# KiCad board qazikat.kicad_pcb (continued)
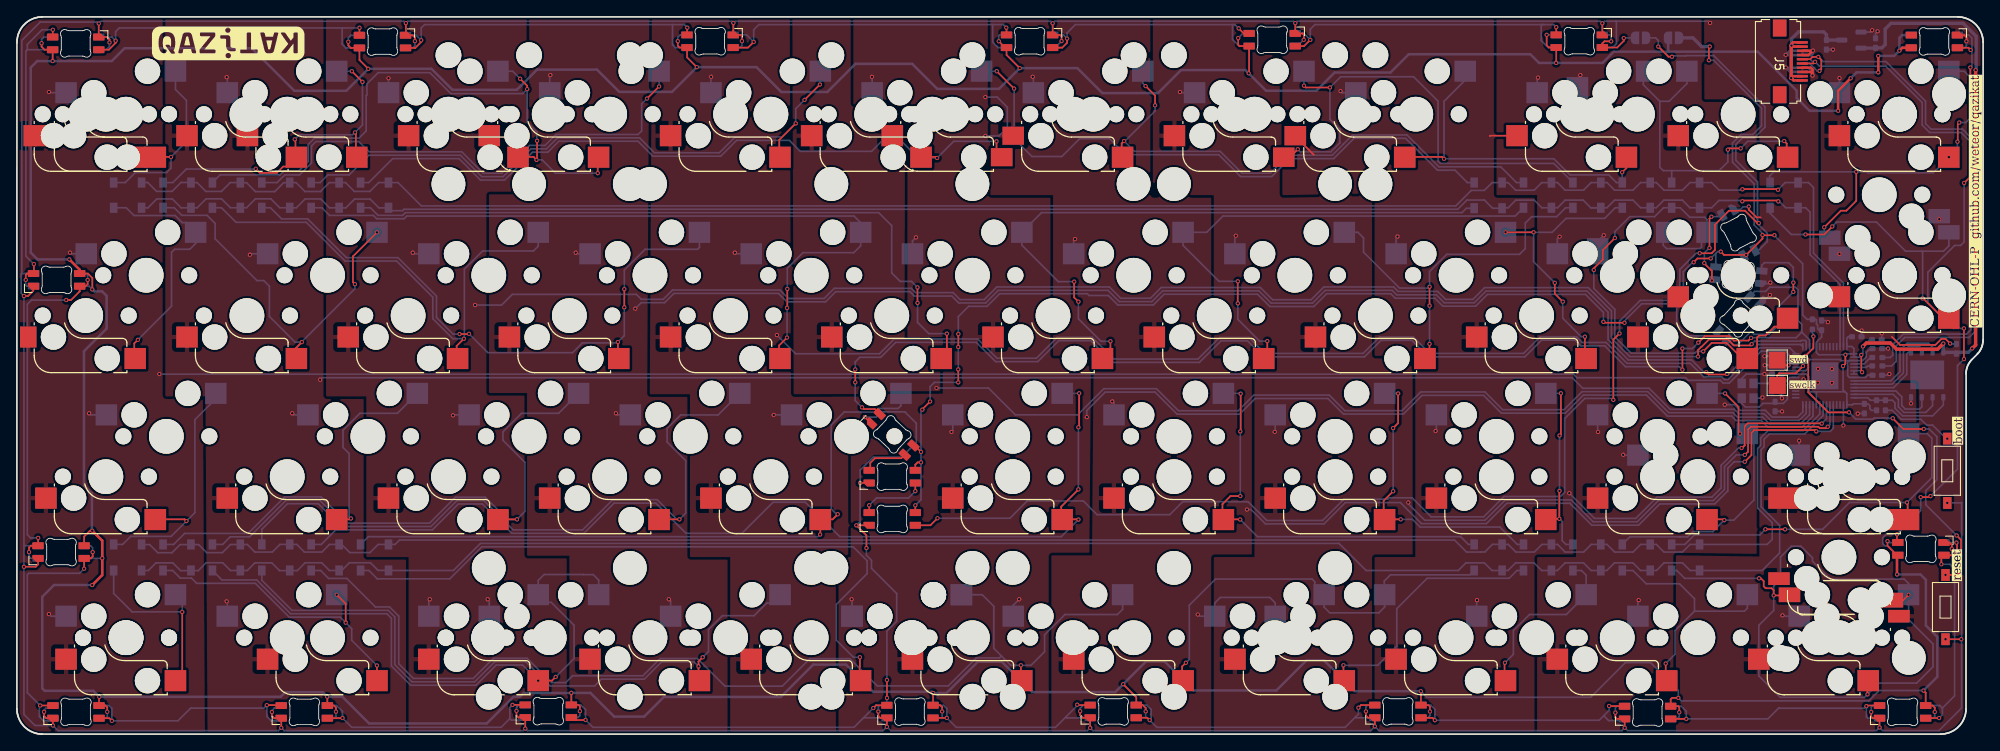
[diagram p0: board, top side]
## Nets
3V3_top: C7.1 C8.1 C9.1 C10.1 C11.1 C13.1 C14.1 D43.1 D44.1 D45.1 D97.1 D98.1 D99.1 JP3.1 R1.1 R8.2 U1.8 U2.2 U5.1 U5.10 U5.22 U5.33 U5.42 U5.43 U5.44 U5.48 U5.49
3V3_under: D12.1 D13.1 D14.1 D15.1 D16.1 D17.1 D18.1 D19.1 D20.1 D21.1 D22.1 D24.1 D25.1 D26.1 D27.1 D28.1 D30.1 D31.1 D32.1 D33.1 D34.1 D35.1 D36.1 D47.1 D48.1 D49.1 D50.1 D51.1 D52.1 D101.1 D102.1 D103.1 D104.1 D105.1 D106.1 D107.1 JP3.2
+1V1: C4.1 C5.1 C6.1 U5.23 U5.45 U5.50
GND: C1.1 C2.1 C3.2 C4.2 C5.2 C6.2 C7.2 C8.2 C9.2 C10.2 C11.2 C12.2 C13.2 C14.2 D12.4 D13.4 D14.4 D15.4 D16.4 D17.4 D18.4 D19.4 D20.4 D21.4 D22.4 D24.4 D25.4 D26.4 D27.4 D28.4 D30.4 D31.4 D32.4 D33.4 D34.4 D35.4 D36.4 D43.4 D44.4 D45.4 D47.4 D48.4 D49.4 D50.4 D51.4 D52.4 D97.4 D98.4 D99.4 D101.4 D102.4 D103.4 D104.4 D105.4 D106.4 D107.4 J4.3 J4.4 J4.7 J4.8 J5.3 J5.4 J5.7 J5.8 SW1.1 SW2.1 SW3.1 SW4.1 U1.4 U2.1 U5.19 U5.57 Y1.2 Y1.4
VBUS: C12.1 J4.1 J4.2 J4.9 J4.10 J5.1 J5.2 J5.9 J5.10 U2.3
col_1: MX1.1 MX15.1 MX27.1 MX39.1 MX52.1 MX65.1 MX77.1 MX90.1 MX99.1 U5.27
col_2: MX2.1 MX16.1 MX28.1 MX40.1 MX53.1 MX66.1 MX78.1 MX91.1 MX100.1 U5.13
col_3: MX3.1 MX17.1 MX29.1 MX41.1 MX48.1 MX54.1 MX67.1 MX79.1 MX92.1 MX101.1 U5.30
col_4: MX4.1 MX18.1 MX30.1 MX42.1 MX55.1 MX68.1 MX80.1 U5.29
col_5: MX5.1 MX19.1 MX31.1 MX56.1 MX69.1 MX81.1 MX93.1 U5.28
col_6: MX82.1 MX102.1 MX104.1 U5.12
col_7: MX6.1 MX20.1 MX32.1 MX43.1 MX49.1 MX51.1 MX57.1 MX70.1 MX83.1 U5.11
col_8: MX7.1 MX21.1 MX33.1 MX44.1 MX50.1 MX58.1 MX71.1 MX84.1 MX94.1 U5.5
col_9: MX8.1 MX22.1 MX34.1 MX59.1 MX72.1 MX85.1 MX103.1 U5.6
col_10: MX9.1 MX23.1 MX35.1 MX45.1 MX60.1 MX73.1 MX86.1 MX95.1 MX96.1 U5.7
col_11: MX10.1 MX11.1 MX24.1 MX25.1 MX36.1 MX37.1 MX46.1 MX61.1 MX74.1 MX87.1 MX88.1 MX97.1 U5.14
col_12: MX12.1 MX14.1 MX26.1 MX38.1 MX47.1 MX62.1 MX63.1 MX64.1 MX75.1 MX76.1 MX89.1 MX98.1 U5.2
D1_1: D133.2 MX1.2 MX90.2 MX99.2
D1_2: D121.2 MX15.2 MX77.2
D1_3: D109.2 MX27.2 MX65.2
D1_4: D1.2 MX39.2 MX52.2
D2_1: D134.2 MX2.2 MX91.2 MX100.2
D2_2: D122.2 MX16.2 MX78.2
D2_3: D110.2 MX28.2 MX66.2
D2_4: D2.2 MX40.2 MX53.2
D3_1: D135.2 MX3.2 MX92.2 MX101.2
D3_2: D123.2 MX17.2 MX79.2
D3_3: D111.2 MX29.2 MX67.2
D3_4: D3.2 MX41.2 MX48.2 MX54.2
D4_1: D136.2 MX4.2
D4_2: D124.2 MX18.2 MX80.2
D4_3: D112.2 MX30.2 MX68.2
D4_4: D4.2 MX42.2 MX55.2
D5_1: D137.2 MX5.2 MX93.2
D5_2: D125.2 MX19.2 MX81.2
D5_3: D113.2 MX31.2 MX69.2
D5_4: D5.2 MX56.2
D6_1: D6.2 MX102.2 MX104.2
D6_2: D126.2 MX82.2
D7_1: D139.2 MX6.2
D7_2: D127.2 MX20.2 MX83.2
D7_3: D115.2 MX32.2 MX70.2
D7_4: D7.2 MX43.2 MX49.2 MX51.2 MX57.2
D8_1: D140.2 MX7.2 MX94.2
D8_2: D128.2 MX21.2 MX84.2
D8_3: D116.2 MX33.2 MX71.2
D8_4: D8.2 MX44.2 MX50.2 MX58.2
D9_1: D141.2 MX8.2 MX103.2
D9_2: D129.2 MX22.2 MX85.2
D9_3: D117.2 MX34.2 MX72.2
D9_4: D9.2 MX59.2
D10_1: D142.2 MX9.2 MX95.2 MX96.2
D10_2: D130.2 MX23.2 MX86.2
D10_3: D118.2 MX35.2 MX73.2
D10_4: D10.2 MX45.2 MX60.2
D11_1: D143.2 MX10.2 MX11.2 MX97.2
D11_2: D131.2 MX24.2 MX25.2 MX87.2 MX88.2
D11_3: D119.2 MX36.2 MX37.2 MX74.2
D11_4: D11.2 MX46.2 MX61.2
D12_1: D144.2 MX12.2 MX14.2 MX98.2
D12_2: D132.2 MX26.2 MX89.2
D12_3: D120.2 MX38.2 MX75.2 MX76.2
D12_4: D108.2 MX47.2 MX62.2 MX63.2 MX64.2
D+: J4.5 J5.5 R3.2
D-: J4.6 J5.6 R4.2
LED_OUT_0: D47.3 D101.3 JP1.1
LED_OUT_1: D47.2 D48.3 D101.2 D102.3
LED_OUT_2: D48.2 D49.3 D102.2 D103.3
LED_OUT_3: D49.2 D50.3 D103.2 D104.3
LED_OUT_4: D50.2 D51.3 D104.2 D105.3
LED_OUT_5: D51.2 D52.3 D105.2 D106.3
LED_OUT_6: D12.3 D52.2 D106.2 D107.3
LED_OUT_7: D12.2 D13.3 D24.3 D107.2
LED_OUT_8: D13.2 D14.3 D24.2 D26.3
LED_OUT_9: D14.2 D15.3 D26.2 D28.3
LED_OUT_10: D15.2 D16.3 D28.2 D30.3
LED_OUT_11: D16.2 D17.3 D30.2 D32.3
LED_OUT_12: D17.2 D18.3 D32.2 D33.3
LED_OUT_13: D18.2 D19.3 D33.2 D34.3
LED_OUT_14: D19.2 D20.3 D34.2 D35.3
LED_OUT_15: D20.2 D21.3 D25.3 D35.2
LED_OUT_16: D21.2 D22.3 D25.2 D27.3
LED_OUT_17: D22.2 D27.2 D31.3 D36.3
LED_TOP_OUT: D43.2 D99.2 JP1.2
QSPI_SCLK: U1.6 U5.52
QSPI_SD0: U1.5 U5.53
QSPI_SD1: U1.2 U5.55
QSPI_SD2: U1.3 U5.54
QSPI_SD3: U1.7 U5.51
QSPI_SS: R5.1 R8.1 U1.1 U5.56
RGB: D45.3 D97.3 U5.31
row_1: D6.1 D133.1 D134.1 D135.1 D136.1 D137.1 D139.1 D140.1 D141.1 D142.1 D143.1 D144.1 U5.41
row_2: D121.1 D122.1 D123.1 D124.1 D125.1 D126.1 D127.1 D128.1 D129.1 D130.1 D131.1 D132.1 U5.40
row_3: D109.1 D110.1 D111.1 D112.1 D113.1 D115.1 D116.1 D117.1 D118.1 D119.1 D120.1 U5.9
row_4: D1.1 D2.1 D3.1 D4.1 D5.1 D7.1 D8.1 D9.1 D10.1 D11.1 D108.1 U5.8
Net-(C2-Pad2): C2.2 R2.1 Y1.3
Net-(D43-DIN): D43.3 D44.2
Net-(D44-DIN): D44.3 D45.2
Net-(D97-DOUT): D97.2 D98.3
Net-(D98-DOUT): D98.2 D99.3
Net-(J1-Pin_1): J1.1 U5.25
Net-(J3-Pin_1): J3.1 U5.24
Net-(R5-Pad2): R5.2 SW2.2 SW4.2
Net-(U5-RUN): C3.1 R1.2 SW1.2 SW3.2 U5.26
Net-(U5-USB_DM): R4.1 U5.46
Net-(U5-USB_DP): R3.1 U5.47
Net-(U5-XIN): C1.2 U5.20 Y1.1
Net-(U5-XOUT): R2.2 U5.21

Pads without a net: D31 2; D36 2; J4 MP; J5 MP; U1 9; U5 3 4 15 16 17 18 32 34 35 36 37 38 39

## Via types
v1: diameter 0.5, hole 0.3, Top to Bottom, 415 vias

## Routing (per net, layer and track width the routed paths; a pad name or vN(x,y) marks a point on that pad's centre or on a via; arc(x,y) is an arc through that point)
3V3_top: length 304.6
  Top w0.2: v1(200.03,81.31) 199.93,81.22 v1(199.93,79.7) ; v1(200.14,56.25) 198.58,56.25 v1(198.13,55.8) ; D99.1 106.16,27.05 v1(106.16,27.06) ; v1(106.99,38.37) 106.99,38.42 v1(107.9,39.33) ; v1(106.83,33.38) 106.07,34.14 D97.1 ; v1(201.33,57.06) 201.72,56.67 v1(204.34,56.67) 206.27,58.6 v1(206.27,59.01) 206.28,59 v1(207.67,59) ; v1(106.83,32.13) 106.42,32.13 106.16,31.86 D98.1 ; v1(217.94,44.84) 217.94,42.89 v1(218.03,42.8) ; v1(189.95,48.65) 187.58,48.65 v1(187.47,48.76) ; v1(111.23,43.13) v1(111.23,41.6) ; v1(111.23,45.78) 111.24,45.79 v1(111.24,47.32) ; v1(215.78,43.53) 216.06,43.81 v1(216.06,44.86)
  Top w0.4: v1(227.63,46.19) 226.96,45.52 222.1,45.52 221.37,46.25 218.54,46.25 v1(218.13,45.84) ; v1(231.45,78.52) 231.45,46.02 v1(231.04,45.61)
  Bottom w0.2: 212.63,40.48 216.02,40.48 ; 212.63,40.48 U5.10 ; 212.63,40.48 211.91,40.48 211.73,40.65 211.73,42.24 211.39,42.58 U5.22 208.53,42.58 C9.1 ; 216.02,40.48 216.23,40.27 U5.1 216.88,38.94 217,39.06 C8.1 218.72,39.06 218.95,38.83 218.95,38.47 219.13,38.29 R8.2 ; 216.02,40.48 215.78,40.72 v1(215.78,43.53) ; v1(106.99,38.37) 106.83,38.21 v1(106.83,32.13) 106.83,27.73 v1(106.16,27.06) ; v1(218.03,42.8) 217.85,42.98 U5.48 U5.49 ; U5.43 217.07,45.6 216.83,45.84 216.25,45.84 U5.42 216.23,46.82 216.4,46.99 C11.1 ; U5.43 U5.44 217.67,44.58 v1(217.94,44.84) 218.13,45.04 v1(218.13,45.84) 218.93,46.64 C7.1 ; U5.43 216.18,44.98 v1(216.06,44.86) 212.9,44.86 212.63,45.13 U5.33 212.63,46.35 213.25,46.97 C10.1 212.95,47.77 212.78,47.94 212.78,48.37 212.64,48.51 212.64,48.96 212.55,49.05 R1.1 211.53,49.05 211.01,49.57 211.01,55.63 207.67,58.97 v1(207.67,59) ; D45.1 200.48,47.1 197.55,47.1 196.12,48.53 196.12,50.56 ; 227.63,46.19 v1(227.63,46.19) ; v1(201.33,57.06) 200.95,57.06 200.75,56.86 ; v1(206.27,59.01) 206.27,59.21 205.27,60.21 205.27,65.08 202.72,67.63 202.72,69.91 203.72,70.91 205.12,70.91 206.15,71.94 206.15,74.03 200.48,79.7 v1(199.93,79.7) ; 200.75,56.86 D44.1 ; 200.75,56.86 v1(200.14,56.25) ; v1(107.9,39.33) 107.9,41.09 108.41,41.6 v1(111.23,41.6) ; v1(111.24,47.32) 111.24,49.38 112.45,50.59 114.63,50.59 116.12,52.08 126.48,52.08 126.69,51.87 128.97,51.87 130.09,50.75 134.28,50.75 135.55,52.02 146.59,52.02 148.04,50.57 153.25,50.57 154.76,52.08 162.34,52.08 162.87,51.55 167.55,51.55 168.49,50.61 172.37,50.61 173.76,52 185.35,52 187.47,49.88 v1(187.47,48.76) ; 204.14,56.58 204.25,56.58 v1(204.34,56.67) ; v1(198.13,55.8) 198.01,55.8 196.9,54.69 196.9,51.34 196.12,50.56 ; v1(111.23,45.78) v1(111.23,43.13) ; 196.12,50.56 195.78,50.89 191.99,50.89 189.95,48.86 v1(189.95,48.65) ; 227.63,45.15 U1.8
  Bottom w0.4: U2.2 219.59,81.13 ; JP3.1 198.04,82.34 199.07,81.31 v1(200.03,81.31) ; C13.1 220.37,81.16 220.76,81.55 220.76,83.38 221.44,84.06 229.97,84.06 231.51,82.53 231.51,78.58 v1(231.45,78.52) ; 227.63,46.19 227.63,45.15 230.58,45.15 v1(231.04,45.61)
3V3_under: length 694.6
  Top w0.2: v1(225.29,5.15) 225.54,4.89 D21.1 226.37,3.38 226.62,3.13 v1(226.62,2.62) ; v1(145.55,78.15) 145.6,78.2 D48.1 144.5,81.37 144.48,81.35 144.31,81.52 v1(144.31,82.32) ; 7.38,54.47 8.38,54.47 8.91,53.94 v1(8.91,52.59) ; D13.1 7.95,23.36 8.63,24.05 v1(8.9,24.05) ; v1(37.7,2.65) 37.7,3.14 37.46,3.38 D15.1 36.69,4.4 v1(36.66,4.42) ; v1(65.52,4.88) D16.1 66.35,3.46 66.52,3.29 v1(66.52,2.71) ; v1(4.22,79.6) D52.1 3.27,80.94 2.91,81.3 v1(2.91,81.71) ; v1(80.34,78.88) 79.19,80.03 D50.1 78.31,81.19 78.09,81.41 v1(78.09,81.95) ; v1(130.72,5.9) 132.27,4.36 132.27,3.43 133.03,3.43 133.38,3.08 v1(133.38,2.68) ; v1(221.03,22.82) 221.03,22.27 222.16,21.15 ; v1(10.67,2.64) 10.67,3.18 10.47,3.38 D14.1 9.7,4.38 v1(9.73,4.41) ; v1(109.33,2.67) 109.33,3.19 109.11,3.41 D17.1 108.25,4.85 v1(108.26,4.86) ; v1(39.16,81.88) 39.16,81.45 39.46,81.15 D51.1 40.47,79.73 v1(41.52,78.68) ; v1(118.5,78.76) 116.94,80.32 D49.1 116.77,81.19 v1(116.02,81.94) ; v1(181.88,79.38) 181.89,79.39 D47.1 181.02,81.2 180.76,81.46 180.76,82.7 v1(180.76,82.7) ; v1(196.43,2.58) 196.43,3.19 196.32,3.3 D20.1 195.41,4.11 195.58,4.28 v1(196.32,4.28) ; v1(165.89,5.07) 165.91,5.05 D19.1 166.78,3.43 166.97,3.24 v1(166.97,2.67)
  Top w0.3: v1(8.9,17.63) 10.08,18.81 v1(10.08,20.8) 10.08,22.87 v1(8.9,24.05) ; v1(215.2,73.72) 215.2,76.08 v1(216.68,77.56) ; v1(219.95,80.21) 219.95,78.27 v1(219.94,78.26) ; v1(222.17,18.88) 222.16,18.9 222.16,21.15 ; v1(222.44,80.83) 222.78,81.17 D36.1 ; v1(6.19,56.14) 7.41,54.92 D12.1
  Bottom w0.2: v1(226.62,2.62) 226.62,2.1 226.4,1.88 D25.1 ; v1(109.33,2.67) 109.33,1.86 109.28,1.91 108.25,1.91 ; D103.1 116.11,82.69 116.02,82.6 v1(116.02,81.94) ; D106.1 3.2,82.44 2.91,82.15 v1(2.91,81.71) ; v1(8.91,52.59) 8.53,52.97 7.38,52.97 ; D24.1 10.06,20.78 v1(10.08,20.8) ; D101.1 v1(180.76,82.7) ; v1(221.03,22.82) 221.2,22.65 222.16,22.65 ; D102.1 144.86,82.87 v1(144.31,82.32) ; D34.1 166.71,1.93 166.97,2.19 v1(166.97,2.67) ; v1(39.16,81.88) 39.16,82.35 39.46,82.65 D105.1 ; v1(133.38,2.68) 133.38,1.94 133.37,1.93 132.27,1.93 ; 65.52,1.96 66.29,1.96 66.52,2.19 v1(66.52,2.71) ; v1(10.67,2.64) 10.67,2.03 10.52,1.88 9.7,1.88 ; 36.69,1.88 37.48,1.88 37.7,2.1 v1(37.7,2.65) ; D35.1 196.16,1.8 196.43,2.07 v1(196.43,2.58) ; v1(165.89,5.07) 166.61,4.35 185.96,4.35 190.06,8.45 193.04,8.45 196.32,5.17 v1(196.32,4.28) 196.67,3.93 218.82,3.93 220.04,5.15 v1(225.29,5.15) ; v1(78.09,81.95) 78.09,82.4 78.38,82.69 D104.1
  Bottom w0.3: v1(222.17,18.88) 224.93,18.88 225.57,18.24 225.57,12.85 226.92,11.5 226.92,6.78 v1(225.29,5.15) ; 195.12,80.71 188.7,80.71 187.37,79.38 v1(181.88,79.38) 179.85,79.38 178.83,80.4 164.46,80.4 162.3,78.24 155.7,78.24 153.55,76.09 147.61,76.09 v1(145.55,78.15) 145.17,78.53 137.55,78.53 134.83,75.81 128.26,75.81 125.31,78.76 v1(118.5,78.76) 116.05,76.31 108.75,76.31 105.79,79.27 99.09,79.27 95.76,75.94 90.33,75.94 87.39,78.88 v1(80.34,78.88) 77.42,75.95 71.17,75.95 68.54,78.59 61.46,78.59 59.07,76.2 51.46,76.2 48.98,78.68 v1(41.52,78.68) 38.92,76.08 32.78,76.08 27.75,81.11 12.72,81.11 11.21,79.6 4.22,79.6 v1(4.22,79.6) 2.4,79.6 1.63,78.83 1.63,56.94 2.43,56.14 v1(6.19,56.14) ; 195.12,80.71 195.12,82.32 JP3.2 ; 195.12,80.71 205.69,80.71 210.3,76.1 210.3,75.25 211.83,73.72 v1(215.2,73.72) ; v1(8.9,17.63) 4.38,17.63 2.99,16.24 2.99,5.41 3.28,5.12 9.02,5.12 v1(9.73,4.41) 31.16,4.41 31.7,4.95 36.13,4.95 v1(36.66,4.42) 36.66,4.42 38.45,4.42 41.62,1.25 55.51,1.25 58.66,4.4 59.43,4.4 59.89,4.86 65.5,4.86 v1(65.52,4.88) 65.53,4.87 67.77,4.87 70.57,2.07 74.12,2.07 76.44,4.39 90.27,4.39 94.1,8.22 97.97,8.22 101.18,5.01 108.11,5.01 v1(108.26,4.86) 109.85,4.86 113.55,8.56 116.37,8.56 119.96,4.97 129.79,4.97 v1(130.72,5.9) 133.42,8.6 135.6,8.6 139.04,5.16 148.82,5.16 152.38,8.72 154.45,8.72 158.1,5.07 v1(165.89,5.07) ; v1(219.94,78.26) 217.38,78.26 v1(216.68,77.56) ; v1(8.91,52.59) 9.14,52.36 10.07,52.36 10.6,51.83 10.6,47.96 7.92,45.28 7.92,29.41 8.86,28.47 8.86,24.09 v1(8.9,24.05) ; v1(219.95,80.21) 221.82,80.21 v1(222.44,80.83) 222.44,82.35 222.76,82.67 223.84,82.67
+1V1: length 18
  Bottom w0.2: 219.26,45.39 218.78,45.39 218.53,45.14 218.53,44.61 218.1,44.18 U5.45 216.48,44.18 ; 216.48,44.18 216.33,44.03 216.33,42.38 216.54,42.18 U5.50 218.43,42.18 218.69,42.44 C5.1 ; 216.48,44.18 215.54,44.18 215.42,44.3 211.86,44.3 211.68,44.12 211.68,43.29 211.37,42.98 U5.23 209.13,42.98 208.47,43.64
GND: length 726.5
  Top w0.2: D36.4 230.12,82.67 230.36,82.43 v1(230.36,81.93) ; v1(31.23,0.75) D15.4 30.4,1.88 30.13,2.15 v1(30.13,2.61) ; D48.4 151.91,82.87 152.07,82.71 152.07,82.13 v1(152.05,82.11) ; v1(126.82,0.74) 126.81,0.75 D18.4 125.95,1.93 125.63,2.25 v1(125.63,2.71) ; v1(60.06,0.65) D16.4 59.28,1.96 59.03,2.21 v1(59.03,2.74) ; v1(4.25,1.02) D14.4 3.46,1.88 3.21,2.13 v1(3.21,2.64) ; v1(151.06,84.09) 151.06,83.24 151.08,83.22 ; v1(99.64,29.7) D98.4 ; v1(47.03,81.95) 47.03,82.38 46.76,82.65 D51.4 45.95,82.68 v1(45.95,84.09) ; v1(9.67,84.04) D52.4 10.66,82.44 10.94,82.16 v1(10.94,81.8) ; v1(204.64,62.39) 204.64,62.03 205.56,61.11 206.04,61.11 ; v1(219.11,2.62) 219.11,2.05 219.28,1.88 D21.4 v1(220.09,0.78) ; v1(159.4,2.68) 159.4,2.18 159.65,1.93 D19.4 v1(160.46,0.91) ; v1(187.34,84.06) D47.4 ; v1(123.44,81.96) 123.44,82.5 123.25,82.69 D49.4 v1(122.38,84.06) ; v1(100.2,37.49) D97.4 ; v1(227.89,11.22) 229.79,11.22 ; v1(189.98,0.75) 189.98,1.78 D20.4 189.05,1.8 188.88,1.97 v1(188.88,2.54) ; v1(102.81,4.27) 102.81,6.38 v1(102.8,6.39) ; v1(228.44,46.19) 227.89,46.74 227.4,46.74 226.68,46.02 222.53,46.02 221.56,46.99 ; v1(101.79,2.67) 101.79,2.13 102.01,1.91 D17.4 v1(102.8,0.86) ; 1.93,52.97 1.93,52.43 1.31,51.81 v1(0.83,51.81) ; v1(228.63,21.91) 228.63,22.39 228.37,22.65 227.6,22.65 ; D99.4 99.2,24.7 v1(99.19,24.69) 100.38,23.5 v1(100.38,22) ; v1(0.83,19.79) 2.22,19.79 2.5,20.06 2.5,20.78 ; v1(84.66,84.11) 84.66,83.21 84.64,83.19 D50.4 85.51,82.69 85.67,82.53 v1(85.67,81.96)
  Top w0.3: 212.17,78.09 v1(212.17,77.89) ; v1(212.17,77.89) 212.17,78.59 211.95,78.81 J5.7 ; v1(212.17,77.89) 212.17,78.11 211.97,78.31 J5.8 ; J5.4 211.7,80.31 v1(212.22,80.83) 212.2,80.81 J5.3
  Bottom w0.2: v1(123.44,81.96) 122.67,81.19 D103.4 ; D33.4 126.02,3.43 125.63,3.04 v1(125.63,2.71) ; U2.1 219.01,83.03 v1(219.22,83.24) ; D102.4 151.31,81.37 v1(152.05,82.11) ; C5.2 221.1,42.44 v1(221.25,42.59) ; v1(188.88,2.54) 188.88,3.11 189.07,3.3 D35.4 ; D106.4 10.55,80.94 10.94,81.33 v1(10.94,81.8) ; 0.83,22.3 0.85,22.28 2.5,22.28 ; 0.83,22.3 v1(0.83,19.79) 0.83,2.32 2.13,1.02 v1(4.25,1.02) 4.87,0.4 30.89,0.4 v1(31.23,0.75) 31.58,0.4 59.82,0.4 v1(60.06,0.65) 60.31,0.4 102.34,0.4 v1(102.8,0.86) 103.26,0.4 126.48,0.4 v1(126.82,0.74) 127.16,0.4 159.94,0.4 v1(160.46,0.91) 160.97,0.4 189.63,0.4 v1(189.98,0.75) 190.32,0.41 219.72,0.41 v1(220.09,0.78) 220.47,0.41 227.11,0.41 229.79,3.09 229.79,21.16 ; 0.83,22.3 v1(0.83,51.81) 0.5,52.14 0.5,54.38 0.58,54.46 ; U5.19 210.72,41.38 211.12,41.77 v1(211.12,41.96) ; v1(102.8,6.39) 102.8,12.17 103.96,13.33 103.96,16.62 100.98,19.6 100.98,20.55 100.38,21.15 v1(100.38,22) ; v1(219.11,2.62) 219.11,3.18 219.31,3.38 D25.4 ; 0.58,54.46 0.58,82.04 2.75,84.21 9.5,84.21 v1(9.67,84.04) 9.94,84.31 45.73,84.31 v1(45.95,84.09) 46.17,84.31 84.46,84.31 v1(84.66,84.11) 84.86,84.31 122.14,84.31 v1(122.38,84.06) 122.63,84.31 150.84,84.31 v1(151.06,84.09) 151.28,84.31 187.09,84.31 v1(187.34,84.06) 187.58,84.31 188.89,84.31 ; 0.58,54.46 0.59,54.47 1.93,54.47 ; C2.1 208.48,39.79 v1(208.55,39.71) ; 228.52,21.15 229.78,21.15 229.79,21.16 ; 228.52,21.15 227.6,21.15 ; 228.52,21.15 228.63,21.26 v1(228.63,21.91) ; 206.09,51.14 206.34,51.14 v1(207.13,51.93) ; D101.4 188.55,81.2 189,81.65 189,84.31 188.89,84.31 ; v1(221.1,45.6) 221.09,45.59 C6.2 ; 206.04,53.28 207.05,53.28 v1(207.18,53.4) ; 188.89,84.31 199.87,84.31 v1(200.07,84.11) ; 209.03,80.31 v1(209.01,80.33) ; v1(206.26,39.8) 206.18,39.72 Y1.4 ; v1(217.52,37.9) 217.54,37.92 C8.2 ; C1.1 208.57,38.17 v1(208.58,38.16) ; C10.2 213.8,48.91 v1(213.99,48.72) ; D34.4 159.62,3.43 159.4,3.21 v1(159.4,2.68) ; D105.4 46.78,81.15 47.03,81.4 v1(47.03,81.95) ; 207.39,43.62 206.55,43.62 ; C13.2 219.62,82.87 v1(219.86,83.11) ; v1(228.1,27.34) 229.75,27.34 229.79,27.38 229.79,21.16 ; v1(102.81,4.27) 102.8,4.26 102.8,3.41 101.99,3.41 101.79,3.21 v1(101.79,2.67) ; C7.2 220.35,47.38 v1(220.36,47.39) ; v1(99.19,24.69) 99.63,25.13 99.63,29.69 v1(99.64,29.7) 99.64,31.21 101.19,32.76 104.54,32.76 106.27,34.49 106.27,36.76 104.92,38.11 102.15,38.11 101.53,37.49 v1(100.2,37.49) ; 206.53,44.68 206.54,44.67 207.43,44.67 ; v1(59.03,2.74) 59.03,3.14 59.11,3.22 59.11,3.25 59.32,3.46 D30.4 ; v1(30.13,2.61) 30.13,2.79 30.42,3.08 31.23,3.08 ; v1(3.21,2.64) 3.21,2.84 3.45,3.08 4.25,3.08 ; Y1.2 203.81,42.05 204.34,42.58 206.52,42.58 206.53,42.57 C9.2 ; D104.4 85.43,81.19 85.67,81.43 v1(85.67,81.96) ; 202.72,62.04 203.65,62.04 203.96,62.35 204.6,62.35 v1(204.64,62.39) ; U1.4 223.82,39.11 v1(223.81,39.1) ; v1(230.36,81.93) 230.36,81.4 230.13,81.17 D31.4 ; C11.2 217.97,47.7 v1(217.98,47.72) ; v1(228.44,46.19) 228.5,46.13 228.87,46.13 229.08,46.34
  Bottom w0.3: C12.2 v1(214.59,80.96) ; J4.3 209.54,78.31 v1(209.01,78.84) 209.04,78.81 J4.4 211.69,78.81 212.17,78.33 v1(212.17,77.89) 212.17,78.02 ; v1(209.01,80.33) 209.49,80.81 J4.8 212.2,80.81 v1(212.22,80.83) 212.22,80.5 212.03,80.31 J4.7 209.03,80.31
  vias: v1(206.5,44.68) v1(206.52,43.62) v1(206.49,42.58) v1(212.83,43.2) v1(212.8,41.56) v1(214.46,43.19) v1(214.46,41.55) v1(229.75,11.22)
VBUS: length 22.4
  Top w0.2: 209.67,81.62 209.66,81.61
  Top w0.3: v1(209.66,77.59) 209.93,77.32 210.98,77.32 ; J5.1 209.86,81.81 209.67,81.62 ; 210.76,81.31 209.67,81.31 209.66,81.32 ; 209.9,77.81 J5.9
  Top w0.4: 209.66,81.45 v1(209.69,81.43) 209.66,81.4 v1(209.66,77.59)
  Bottom w0.2: 213.84,82.08 C12.1
  Bottom w0.3: 210.96,81.81 209.86,81.81 209.67,81.62 209.98,81.31 J4.9 ; J4.1 209.94,77.31 v1(209.66,77.59) 209.88,77.81 J4.2
  Bottom w0.4: U2.3 213.84,82.08 ; C12.1 213.82,82.72 213.49,83.05 210.52,83.05 209.69,82.22 v1(209.69,81.43)
col_1: length 204.8
  Top w0.2: 1.43,70.8 2.36,70.8
  Bottom w0.2: v1(6.28,56.94) 6.41,56.8 8.19,56.8 ; MX1.1 3.87,75.85 v1(3.78,75.94) ; MX39.1 4.03,13.94 v1(3.78,14.19) ; U5.27 209.66,44.58 208.96,45.28 206.1,45.28 202.34,41.52 201.61,41.52 201.28,41.84 197.47,41.84 197.17,42.14 184.35,42.14 183.93,42.57 16.84,42.57 v1(16.83,42.58) ; v1(8.53,37.94) 8.72,37.75 MX27.1
col_2: length 186.9
  Bottom w0.2: v1(24.78,15.69) 24.86,15.61 MX40.1 ; U5.13 211.43,37.93 210.59,37.09 207.24,37.09 206.44,37.89 203.45,37.89 202.93,38.41 195.36,38.41 192.87,40.9 185.03,40.9 183.78,42.14 36.06,42.14 v1(35.83,41.91) ; MX2.1 24.86,77.61 v1(24.78,77.69) ; v1(32.53,37.94) 32.72,37.75 MX28.1 ; v1(27.53,56.69) 27.65,56.8 29.62,56.8
col_3: length 181.6
  Top w0.2: v1(198.64,44.65) 198.64,45.42 199.03,45.81 199.07,45.81 199.93,46.67 202.19,46.67 202.89,45.97 204.83,45.97 v1(204.98,46.12)
  Bottom w0.2: MX48.1 55.81,15.76 v1(55.63,15.94) ; v1(198.64,44.65) 190.58,44.65 188.42,46.81 188.42,50.06 185.68,52.8 173.43,52.8 172.04,51.41 168.83,51.41 167.89,52.35 163.2,52.35 162.67,52.88 154.43,52.88 152.92,51.37 148.38,51.37 146.93,52.82 135.22,52.82 133.95,51.55 130.42,51.55 129.09,52.88 115.79,52.88 114.3,51.39 111.45,51.39 110.63,52.21 106.2,52.21 105.69,52.72 96.58,52.72 95.38,51.52 91.15,51.52 90.15,52.52 77.47,52.52 76.37,51.42 73.78,51.42 73.2,52 58.53,52 57.27,50.74 v1(54.14,50.74) ; MX41.1 48.67,15.83 v1(48.78,15.94) ; v1(46.78,56.94) 46.92,56.8 48.67,56.8 ; v1(204.98,46.12) 205.34,46.48 210.76,46.48 210.84,46.55 211.33,46.55 211.43,46.45 U5.30 ; v1(51.53,37.69) 51.59,37.75 MX29.1 ; v1(43.91,77.56) MX3.1
col_4: length 159.6
  Top w0.2: v1(202.07,42.6) 202.01,42.53 199.88,42.53 v1(199.62,42.79)
  Bottom w0.2: MX30.1 70.97,37.75 v1(70.78,37.94) ; v1(63.03,77.94) 62.96,77.87 MX4.1 ; v1(66.03,56.94) 66.17,56.8 67.72,56.8 ; v1(199.62,42.79) 199.34,42.79 197.88,44.25 190.41,44.25 188.02,46.65 188.02,49.9 185.51,52.4 173.6,52.4 172.21,51.01 168.66,51.01 167.72,51.95 163.04,51.95 162.51,52.48 154.6,52.48 153.09,50.97 148.21,50.97 146.76,52.42 135.39,52.42 134.12,51.15 130.25,51.15 128.92,52.48 115.96,52.48 114.47,50.99 111.28,50.99 110.46,51.81 106.03,51.81 105.52,52.32 96.75,52.32 95.55,51.12 90.98,51.12 89.98,52.12 77.64,52.12 76.54,51.02 73.77,51.02 v1(73.07,50.32) ; v1(202.07,42.6) 202.29,42.6 205.77,46.08 210.77,46.08 U5.29 ; v1(77.03,15.94) 77.25,15.72 MX42.1
col_5: length 139.3
  Bottom w0.2: v1(89.43,37.74) 89.45,37.75 MX31.1 ; 86.77,56.8 84.97,56.8 v1(84.83,56.94) ; v1(82.03,77.74) 82.01,77.72 MX5.1 ; U5.28 209.49,45.68 205.93,45.68 202.17,41.92 201.78,41.92 201.45,42.25 199.32,42.25 197.71,43.85 190.25,43.85 187.78,46.32 184.96,46.32 184.28,46.99 179.99,46.99 178.02,45.02 166.95,45.02 165,46.97 161.02,46.97 159.07,45.02 147.47,45.02 145.59,46.9 142.1,46.9 139.56,44.36 129.62,44.36 127.05,46.93 122.94,46.93 120.46,44.45 115.81,44.45 113.53,46.73 103.67,46.73 101.92,44.98 92.01,44.98 v1(89.8,47.19)
col_6: length 114.2
  Bottom w0.2: v1(108.66,40.93) 114.8,40.93 117.97,37.76 125.34,37.76 128.43,40.85 134.65,40.85 137.26,38.24 144.3,38.24 146.15,40.09 155.07,40.09 156.91,38.25 163.66,38.25 165.87,40.46 173.47,40.46 175.57,38.36 182.8,38.36 184.94,40.5 192.7,40.5 195.19,38.01 202.77,38.01 203.29,37.49 206.28,37.49 207.07,36.69 210.76,36.69 211.83,37.77 U5.12
col_7: length 115.1
  Bottom w0.2: MX6.1 101.06,77.71 v1(101.03,77.74) ; v1(114.43,75.34) 115.83,75.34 117.03,74.14 117.03,71.74 116.03,70.74 v1(114.43,70.74) ; v1(110.43,35.74) 110.58,35.89 MX32.1 ; v1(118.43,15.94) 117.73,15.24 MX43.1 ; 105.82,56.8 105.82,58.33 v1(106.23,58.74) ; v1(98.63,15.94) 98.68,15.89 MX49.1 ; U5.11 212.23,37.6 210.92,36.3 206.91,36.3 206.11,37.09 203.12,37.09 202.6,37.61 195.02,37.61 192.53,40.1 185.11,40.1 182.97,37.96 175.4,37.96 173.3,40.06 166.04,40.06 163.83,37.85 156.74,37.85 154.9,39.69 146.32,39.69 144.47,37.84 137.09,37.84 134.48,40.45 128.6,40.45 126.42,38.27 v1(126.42,37.49)
col_8: length 103.2
  Top w0.2: v1(212.62,35.8) 212.47,35.95 205.27,35.95 204.96,35.64 204.96,33 v1(204.17,32.21)
  Bottom w0.2: v1(204.17,32.21) 202.92,32.21 202.17,31.46 202.17,28.77 200.62,27.22 194.13,27.22 191.62,24.71 186.09,24.71 183.5,27.3 176.05,27.3 173.64,24.89 165.97,24.89 163.48,27.38 156.97,27.38 154.45,24.86 147.53,24.86 145.83,26.56 v1(145.34,26.56) ; v1(139.53,14.14) 139.73,13.94 MX50.1 141.54,15.5 142.2,16.16 148.04,16.16 148.68,15.52 MX44.1 ; U5.5 214.63,36.18 214.25,35.8 v1(212.62,35.8) ; MX33.1 129.63,39.14 v1(129.43,39.34) ; 124.87,56.8 124.87,58.38 v1(125.03,58.54) ; MX7.1 120.11,77.66 v1(120.03,77.74)
col_9: length 69.2
  Top w0.2: v1(213.97,36.35) 213.8,36.18 213.03,36.18 212.86,36.35 204.88,36.35 204.56,36.03 204.56,33.41 v1(204.17,33.02)
  Bottom w0.2: v1(137.43,75.94) 137.52,75.85 MX8.1 ; v1(144.03,58.94) 143.92,58.83 143.92,56.8 ; v1(148.63,35.74) 148.68,35.79 MX34.1 ; v1(164.41,27.39) 164.41,27.24 166.36,25.29 173.47,25.29 175.88,27.7 183.66,27.7 186.25,25.11 191.45,25.11 193.96,27.62 200.45,27.62 201.77,28.94 201.77,31.62 203.17,33.02 v1(204.17,33.02) ; U5.6 214.23,36.61 v1(213.97,36.35)
col_10: length 55.3
  Top w0.2: 174.05,70.75 174.07,70.77 MX96.1 ; v1(203.79,33.83) 203.84,33.83 204.16,34.15 204.16,36.39 204.52,36.75 213.24,36.75 v1(213.26,36.73) ; 150.95,70.8 153.21,68.54 153.23,68.54
  Bottom w0.2: MX9.1 156.59,75.85 v1(156.4,76.04) ; v1(203.79,33.83) 203.42,33.83 201.37,31.79 201.37,29.1 200.29,28.02 193.8,28.02 191.29,25.51 186.42,25.51 v1(183.44,28.49) ; U5.7 213.83,37.29 v1(213.26,36.73) ; MX35.1 167.73,35.94 v1(167.63,35.84) ; 162.97,56.8 162.97,58.68 v1(163.13,58.84) ; v1(172.53,15.84) 172.5,15.8 MX45.1
col_11: length 25
  Bottom w0.2: U5.14 211.03,38.1 210.43,37.5 207.41,37.5 206.61,38.29 203.62,38.29 202.95,38.96 v1(201.81,38.96) ; v1(189.8,33.03) 189.84,32.99 MX37.1 ; 184.76,75.85 184.76,77.91 v1(184.73,77.94) ; v1(187.51,58.99) 187.15,58.62 187.15,56.8 ; 182.02,56.8 182.02,58.56 v1(182.29,58.83) ; v1(186.83,35.74) 186.78,35.79 MX36.1 ; MX10.1 179.64,77.55 v1(179.73,77.64) ; MX46.1 191.54,15.75 v1(191.63,15.84)
col_12: length 8.2
  Bottom w0.2: v1(208.63,14.04) 208.73,13.94 MX47.1 ; v1(215.82,36.5) 215.83,36.51 U5.2 ; v1(215.36,77.58) MX12.1 ; v1(210.59,34.7) MX38.1 ; v1(227.16,60.89) 227.15,60.9 MX14.1
  vias: v1(215.36,56.8)
D1_1: length 22.2
  Top w0.2: v1(18.21,68.26) 16.24,68.26
  Bottom w0.2: D133.2 12.8,65.23 13.98,66.41 17.68,66.41 18.21,66.94 v1(18.21,68.26) 20.03,70.08 20.03,74.94 18.73,76.24 MX1.2
D1_2: length 29.8
  Top w0.2: v1(14.29,46.63) 13.86,46.2 13.86,44.45
  Bottom w0.2: v1(14.29,46.63) 18.27,50.61 18.27,56.98 18.63,57.34 20.43,57.34 21.12,58.03 MX15.2 19.97,60.49 19.54,60.49 18.7,61.33 13.84,61.33 12.92,62.25 D121.2
D1_3: length 30.2
  Top w0.2: 16.24,25.4 19.82,25.4 v1(20.03,25.19)
  Bottom w0.2: MX27.2 23.5,39.66 21.03,37.19 21.03,26.19 v1(20.03,25.19) 18.22,23.38 13.44,23.38 12.49,22.43 D109.2
D1_4: length 22.6
  Top w0.2: 18.62,6.35 19.53,7.26 v1(19.53,14.44)
  Bottom w0.2: D1.2 11.43,16.64 13.61,14.46 19.51,14.46 v1(19.53,14.44) 19.53,15.69 MX39.2
D2_1: length 39.8
  Top w0.2: MX100.2 31.91,67.12 31.46,67.12 30.72,66.38 28.7,66.38 v1(28.22,66.86) ; v1(39.95,71.16) 40.05,71.06 40.05,68.26 ; v1(39.58,78.39) v1(40.83,77.14) ; v1(32.83,70.34) 32.91,70.26 32.91,68.26
  Bottom w0.2: MX2.2 v1(39.58,78.39) ; v1(28.22,66.86) 28.19,66.83 20.02,66.83 18.42,65.23 D134.2 ; v1(40.83,77.14) 40.83,72.04 v1(39.95,71.16) 39.67,70.88 33.37,70.88 v1(32.83,70.34)
D2_2: length 45.2
  Top w0.2: v1(42.55,59.34) 39.71,56.51 39.71,53.44 v1(39.94,53.21) ; v1(33.67,46.36) 32.91,45.6 32.91,44.45
  Bottom w0.2: v1(39.94,53.21) 39.94,52.68 33.67,46.41 v1(33.67,46.36) 32.86,46.36 29.83,49.39 29.83,52.97 29.16,53.64 28.36,53.64 23.42,58.58 23.42,60.4 22.47,61.35 19.48,61.35 18.58,62.25 D122.2
D2_3: length 48.8
  Top w0.2: v1(39.46,25.5) 39.36,25.4 37.67,25.4
  Bottom w0.2: MX28.2 44.95,37.94 40.53,37.94 38.53,35.94 38.53,33.9 39.25,33.18 39.25,25.71 v1(39.46,25.5) 38.5,25.5 35.95,28.05 32.94,28.05 32.93,28.05 31.64,28.05 27.32,23.73 19.82,23.73 18.52,22.43 D110.2
D2_4: length 36.3
  Top w0.2: v1(37.78,16.48) 38.85,15.42 v1(38.85,13.18) ; v1(42.54,8.11) 42.54,6.32 MX53.2
  Bottom w0.2: v1(42.54,8.11) 39.56,11.09 39.56,12.47 v1(38.85,13.18) 38.2,13.83 32.17,13.83 28.17,17.83 21.24,17.83 20.62,18.45 19.3,18.45 18.4,19.35 D2.2
D3_1: length 73.9
  Top w0.2: v1(68.63,66.34) 68.63,66.34 68.63,68.26 ; v1(59.45,77.52) 60.29,76.68 v1(60.29,76.27) ; 59.1,68.26 61.05,68.26 v1(61.4,67.91) 61.46,67.97 v1(61.46,70.17)
  Bottom w0.2: D135.2 24,66.13 31.08,66.13 31.56,66.61 33.3,66.61 34.41,67.72 34.41,69.73 35.16,70.48 40.42,70.48 41.27,71.33 41.27,75.51 41.36,75.6 41.36,76.9 42.69,78.23 48.79,78.23 51.27,75.75 59.77,75.75 v1(60.29,76.27) 60.29,72.36 61.43,71.22 61.43,70.2 v1(61.46,70.17) ; v1(61.4,67.91) 62.06,67.91 63.63,66.34 v1(68.63,66.34) ; MX3.2 58.58,78.39 v1(59.45,77.52)
D3_2: length 60
  Top w0.2: v1(52.81,46.76) 51.96,45.91 51.96,44.45
  Bottom w0.2: MX17.2 61.6,57.71 61.03,57.14 55.03,57.14 52.87,54.98 52.87,46.82 v1(52.81,46.76) 51.51,46.76 49.14,49.13 49.14,51.67 44.86,55.95 38.77,55.95 34.19,60.53 25.89,60.53 24.17,62.25 D123.2
D3_3: length 66.6
  Top w0.2: v1(59.09,25.4) 56.72,25.4
  Bottom w0.2: D111.2 24.31,22.43 25.21,23.33 27.49,23.33 31.8,27.65 33.1,27.65 33.1,27.65 35.78,27.65 38.48,24.95 48.76,24.95 51.83,28.02 55.33,28.02 57.95,25.4 v1(59.09,25.4) 60.03,26.34 60.03,32.14 57.43,34.74 57.43,35.74 59.63,37.94 64,37.94 MX29.2
D3_4: length 75.3
  Top w0.2: v1(63.66,6.76) 63.22,6.32 v1(61.59,6.32)
  Bottom w0.2: v1(63.66,6.76) 65.83,8.93 65.83,12.88 63.13,15.58 62.5,15.58 MX41.2 61.6,18.18 62.29,18.87 66.96,18.87 66.97,18.86 68.1,18.86 68.74,18.22 MX48.2 ; v1(61.59,6.32) 59.74,8.17 56.64,8.17 54.25,5.78 46.52,5.78 44.25,8.05 44.25,13.69 43.71,14.23 32.33,14.23 28.34,18.23 24.22,18.23 D3.2
D4_1: length 59.6
  Top w0.2: v1(75.88,76.59) v1(74.45,75.16)
  Bottom w0.2: v1(74.45,75.16) 73.82,74.53 73.82,71.34 73.4,70.91 63.7,70.91 62.41,69.62 60.58,69.62 57.29,66.33 55.1,66.33 52.57,68.86 41.61,68.86 40.39,70.08 35.33,70.08 34.81,69.56 34.81,67.55 33.39,66.13 31.65,66.13 30.75,65.23 D136.2 ; MX4.2 v1(75.88,76.59)
D4_2: length 73.7
  Top w0.2: v1(52.3,47.31) 53.39,47.31 v1(53.42,47.34) ; v1(71.77,52.62) v1(71.77,50.47) ; 71.01,44.45 v1(71.01,46.37)
  Bottom w0.2: v1(53.42,47.34) 55.65,45.11 65.66,45.11 66.82,46.27 70.91,46.27 v1(71.01,46.37) 71.77,47.13 v1(71.77,50.47) ; MX18.2 80.65,57.56 80.43,57.34 74.23,57.34 71.77,54.88 v1(71.77,52.62) ; D124.2 29.96,62.25 31.28,60.93 34.36,60.93 38.94,56.35 45.03,56.35 49.58,51.8 49.58,49.26 51.53,47.31 v1(52.3,47.31)
